# KiCad board bldc_controller.kicad_pcb (continued)
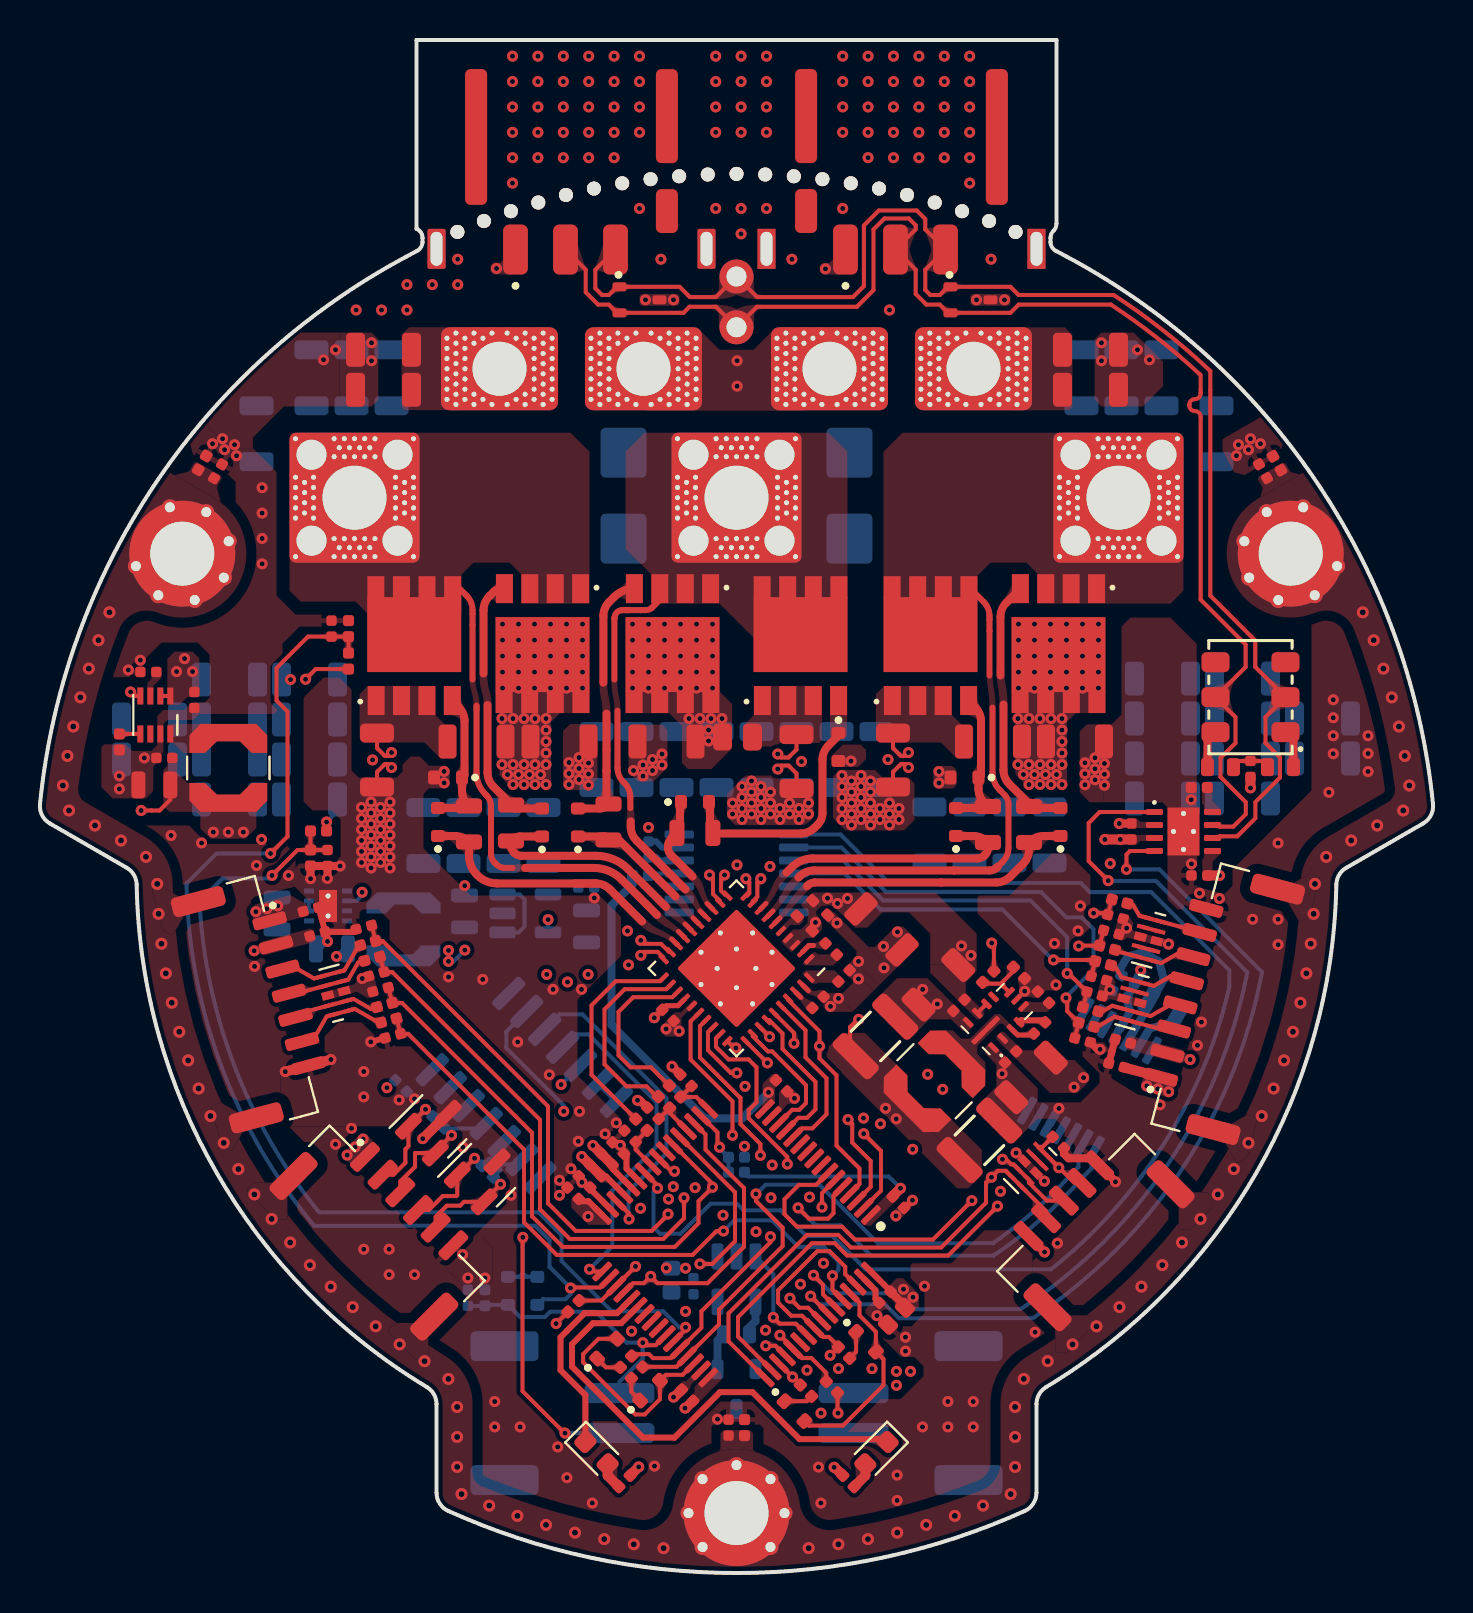
[diagram p0: board, top side]
## Routing (per net, layer and track width the routed paths; a pad name or vN(x,y) marks a point on that pad's centre or on a via; arc(x,y) is an arc through that point) (continued)
  Bottom w0.2: v1(11.6,34.9) 11.45,34.75 9.13,34.75 7.98,33.6 7.98,33.55 arc(9.72,25.39) 13.88,18.15 13.97,18.05 24.93,18.05 26.08,16.9 26.08,15.61 28.59,13.1 31.15,13.1 31.96,12.29 v1(32.28,12.29)
/Project Architecture/MCU - IO/SOA: length 8.7
  Top w0.2: R1.2 30.55,25.3 29.53,25.3 28.93,25.9 28.93,28.08 29.66,28.81 31.62,28.81 U8.23
/Project Architecture/MCU - IO/SOB: length 9.9
  Top w0.2: R2.2 30.85,23.83 30.33,24.35 29.33,24.35 28.23,25.45 28.23,28.2 29.24,29.21 31.31,29.21 U8.22
/Project Architecture/MCU - IO/SOC: length 10.8
  Top w0.2: U8.21 31.01,29.61 28.79,29.61 27.58,28.4 27.58,24.93 R3.2
/Project Architecture/Motor Control - Top Level/CPH: length 0.7
  Top w0.25: 38.14,31.09 38.45,31.4 38.68,31.4
/Project Architecture/Motor Control - Top Level/GHA: length 14.5
  Top w0.25: 36.73,32.5 37,32.78
  Top w0.4: 38.35,34.36 38.39,34.4 arc(38.56,34.51) 38.75,34.55 45.05,34.55 47.81,34.55 arc(48.2,34.63) 48.52,34.84 49.16,35.48 arc(49.38,35.81) 49.45,36.19 R9.2 ; R9.2 49.45,36.41 ; R9.2 49.49,36.58 arc(49.81,36.8) 50.19,36.88 D2.1
/Project Architecture/Motor Control - Top Level/GHB: length 6.1
  Top w0.25: 32.65,32.78 32.92,32.5 32.93,32.5
  Top w0.4: D5.1 28.25,36.85 R12.1 ; 28.88,36.75 31.78,33.85
/Project Architecture/Motor Control - Top Level/GHC: length 11.3
  Top w0.25: 32.25,32.48 32.57,32.15 32.57,32.15
  Top w0.4: D8.1 23.99,36.85 arc(23.79,36.81) 23.63,36.7 R15.1 23.55,36.41 arc(23.59,36.22) 23.7,36.05 23.72,36.03 arc(23.89,35.92) 24.08,35.88 27.8,35.88 arc(28.67,35.71) 29.41,35.22 31.3,33.33
/Project Architecture/Motor Control - Top Level/GLA: length 13
  Top w0.25: 36.02,33.21 36.02,33.22 36.3,33.5
  Top w0.4: D3.1 46.66,36.88 arc(47.05,36.8) 47.37,36.58 R10.1 47.4,36.28 arc(47.36,36.09) 47.26,35.93 47.22,35.9 arc(47.06,35.79) 46.87,35.75 38.64,35.75 arc(38.08,35.64) 37.6,35.32 37.33,35.05
/Project Architecture/Motor Control - Top Level/GLB: length 4.8
  Top w0.25: 33.63,33.22 33.35,33.5
  Top w0.4: 32.63,34.85 31.55,35.93 arc(31.44,36.09) 31.4,36.28 31.4,36.37 arc(31.44,36.56) 31.55,36.73 R13.1 32,37.18 32,38.58
/Project Architecture/Motor Control - Top Level/GLC: length 14
  Top w0.25: 31.87,31.44 31.86,31.44 31.58,31.73
  Top w0.4: 26.78,34.5 27.79,34.5 arc(28.17,34.42) 28.5,34.21 30.1,32.6 ; 26.78,34.5 22.87,34.5 arc(22.32,34.61) 21.86,34.92 arc(21.56,35.37) 21.45,35.9 R16.1 21.45,36.58 arc(21.12,36.8) 20.74,36.88 D9.1 ; 26.78,34.5 27.83,34.5
/Project Architecture/Motor Control - Top Level/Motor Control - Inverter/FET_GHA: length 11.9
  Top w0.39: 48.03,44.9 48.03,47.84 arc(48.1,48.22) 48.32,48.55
  Top w0.4: 48.18,43.45 48.18,40.18 arc(48.25,39.79) 48.47,39.47 49.45,38.49 R9.1 49.53,38.28 D2.2 ; 48.32,48.55 Q1.4
/Project Architecture/Motor Control - Top Level/Motor Control - Inverter/FET_GHB: length 11.9
  Top w0.4: D5.2 28,38.25 arc(28.19,38.29) 28.35,38.4 R12.2 28.33,38.58 28.33,40.13 28.33,40.13 28.33,43 ; 28.17,44.54 28.17,47.88 arc(28.25,48.26) 28.46,48.59 28.71,48.83 arc(29.17,49.14) Q3.4 ; 28.42,38.54 28.43,38.55 28.33,38.65
/Project Architecture/Motor Control - Top Level/Motor Control - Inverter/FET_GHC: length 12.1
  Top w0.4: D8.2 23.73,38.25 23.55,38.43 23.55,38.46 22.67,39.35 arc(22.45,39.67) 22.38,40.05 22.38,43.43 ; Q5.4 23.06,49.25 arc(22.87,49.21) 22.7,49.1 22.47,48.87 arc(22.25,48.55) 22.18,48.16 22.18,45.01 ; 23.53,38.53 23.53,38.33
/Project Architecture/Motor Control - Top Level/Motor Control - Inverter/FET_GLA: length 7.4
  Top w0.4: D3.2 47.33,38.28 R10.2 47.22,38.53 arc(47,38.86) 46.93,39.24 D1.1 47.05,39.93 47.05,42.62 arc(46.98,43) 46.76,43.32 Q2.4
/Project Architecture/Motor Control - Top Level/Motor Control - Inverter/FET_GLB: length 11.5
  Top w0.4: 33.5,38.58 33.5,37.17 R13.2 ; D4.1 39.93,41.9 39.42,41.39 arc(39.2,41.07) 39.13,40.69 39.13,38.02 arc(39.07,37.71) 38.89,37.45 38.74,37.29 arc(38.41,37.08) 38.03,37 34.1,37
/Project Architecture/Motor Control - Top Level/Motor Control - Inverter/FET_GLC: length 7.6
  Top w0.2: 21.19,38.31 21.45,38.58
  Top w0.4: Q6.4 20.94,43.33 arc(21.15,43.01) 21.23,42.63 21.23,39.93 21.1,39.8 21.1,39.14 arc(21.18,38.76) 21.4,38.43 R16.2 21.35,38.28 D9.2
/Project Architecture/Motor Control - Top Level/Motor Control - Inverter/PHA: length 2
  Top w0.3: NT4.2 47.48,47.88 arc(47.4,48.26) 47.19,48.59 Q2.5
/Project Architecture/Motor Control - Top Level/Motor Control - Inverter/PHB: length 1.7
  Top w0.3: Q3.3 30.99,48.69 30.6,48.3 arc(30.46,48.21) 30.3,48.17 NT7.2
/Project Architecture/Motor Control - Top Level/Motor Control - Inverter/PHC: length 1.9
  Top w0.3: NT10.2 21.63,48.19 arc(21.55,48.57) 21.34,48.89 20.9,49.33 Q6.5
/Project Architecture/Motor Control - Top Level/Motor Control - Inverter/SRC_LS_A: length 0.8
  Top w0.2: R11.2 42.65,41.28 NT5.1
/Project Architecture/Motor Control - Top Level/Motor Control - Inverter/SRC_LS_B: length 0.8
  Top w0.2: R14.2 37.83,41.2 NT8.2
/Project Architecture/Motor Control - Top Level/Motor Control - Inverter/SRC_LS_C: length 0.8
  Top w0.2: NT11.2 16.85,41.28 R17.2
/Project Architecture/Motor Control - Top Level/SA_N: length 15.7
  Top w0.2: v1(35.29,34.74) 35.47,34.56 35.47,34 35.36,33.89 U8.10 ; NT6.1 43.05,40.47 43.25,40.48 v1(43.43,40.3)
  In2.Cu w0.2: v1(43.43,40.3) 43.6,40.48 43.63,40.48 43.98,40.13 43.98,36.98 43.6,36.6 36.14,36.6 35.47,35.92 35.47,34.91 v1(35.29,34.74)
/Project Architecture/Motor Control - Top Level/SA_P: length 16.8
  Top w0.2: v1(43.43,41.05) 43.25,40.88 43.05,40.88 NT5.2 ; v1(36.04,34.74) 35.87,34.56 35.87,33.84 35.64,33.61 U8.9
  In2.Cu w0.2: v1(36.04,34.74) 35.87,34.91 35.87,35.76 36.31,36.2 43.76,36.2 44.38,36.82 44.38,40.29 43.79,40.88 43.6,40.88 v1(43.43,41.05) 43.49,41.05
/Project Architecture/Motor Control - Top Level/SB_N: length 11
  Top w0.2: 34.34,33.92 34.27,33.92 34.05,34.14 34.05,34.75 v1(34.23,34.93) ; v1(36.89,40.23) 37.07,40.4 37.43,40.4 NT9.1
  In2.Cu w0.2: v1(36.89,40.23) 36.72,40.4 35.26,40.4 34.61,39.75 34.61,39.74 33.92,39.05 33.25,39.05 32.98,38.78 32.98,36.46 34.05,35.39 34.05,35.1 v1(34.23,34.93)
/Project Architecture/Motor Control - Top Level/SB_P: length 12
  Top w0.2: NT8.1 37.43,40.8 37.07,40.8 v1(36.89,40.98) ; 33.99,33.56 33.99,33.64 33.65,33.97 33.65,34.75 v1(33.48,34.93)
  In2.Cu w0.2: v1(36.89,40.98) 36.72,40.8 35.1,40.8 34.22,39.92 34.22,39.91 33.75,39.45 33.08,39.45 32.58,38.94 32.58,36.3 33.65,35.22 33.65,35.1 v1(33.48,34.93)
/Project Architecture/Motor Control - Top Level/SC_N: length 21.2
  Top w0.2: 31.16,30.74 31.16,30.81 30.89,31.08 30.22,31.08 v1(30.04,30.9) ; v1(17.58,40.3) 17.4,40.48 17.25,40.48 NT12.1
  In2.Cu w0.2: v1(17.58,40.3) 17.75,40.48 18.01,40.48 18.25,40.23 18.25,35.41 22.58,31.08 29.87,31.08 v1(30.04,30.9)
/Project Architecture/Motor Control - Top Level/SC_P: length 21.5
  Top w0.2: v1(30.04,31.65) 30.22,31.48 31.05,31.48 31.44,31.09 31.51,31.09 ; NT11.1 17.25,40.88 17.4,40.88 v1(17.58,41.05)
  In2.Cu w0.2: v1(30.04,31.65) 29.87,31.48 22.75,31.48 18.65,35.57 18.65,40.4 18.17,40.88 17.75,40.88 v1(17.58,41.05)
/Project Architecture/Motor Control - Top Level/SHA: length 21.1
  Top w0.25: 36.39,32.86 36.65,33.13
  Top w0.29: NT4.1 47.48,44.9
  Top w0.3: 47.88,35.33 48.14,35.58 arc(48.35,35.91) 48.43,36.29 48.43,38.47 arc(48.38,38.72) 48.24,38.92 48,39.17 arc(47.72,39.57) 47.63,40.05 47.63,43.3
  Top w0.4: 37.93,34.8 37.97,34.84 arc(38.31,35.07) 38.71,35.15 45.7,35.15 45.7,35.15 47.5,35.15 arc(47.69,35.19) 47.85,35.3 47.88,35.33
/Project Architecture/Motor Control - Top Level/SHB: length 14.1
  Top w0.25: 33.27,32.86 33,33.13
  Top w0.3: 28.72,44.7 28.72,47.77 28.73,47.78 arc(28.84,48.06) 29.12,48.18 NT7.1 29.27,48.18 ; 28.88,43.14 28.88,40.28 arc(28.95,39.9) 29.17,39.58 29.23,39.52 arc(29.44,39.2) 29.52,38.82 29.52,38.27
  Top w0.4: 32.28,34.2 29.83,36.64 arc(29.61,36.97) 29.54,37.35 29.54,37.61
/Project Architecture/Motor Control - Top Level/SHC: length 19.7
  Top w0.25: 31.93,32.1 32.22,31.81 32.22,31.8
  Top w0.3: 23.63,35.28 23.25,35.28 arc(23.02,35.32) 22.83,35.45 22.73,35.55 arc(22.6,35.74) 22.55,35.97 22.55,38.35 arc(22.49,38.66) 22.32,38.92 22.26,38.98 arc(21.94,39.46) 21.83,40.02 21.83,43.4 ; NT10.1 21.63,44.7
  Top w0.4: 30.85,32.93 29.07,34.71 arc(28.44,35.13) 27.7,35.28 24.25,35.28
/Project Architecture/Power - Generation/BOOT_12V: length 1.4
  Top w0.3: C58.2 50.16,27.65 49.05,27.65 U3.4
/Project Architecture/Power - Generation/FB_5V: length 8.7
  Top w0.2: U2.4 4.73,43.88 v1(4.53,44.08) ; v1(5.06,38.15) NT1.1
  In2.Cu w0.2: v1(4.53,44.08) 3.39,42.95 3.39,38.99 4.23,38.15 v1(5.06,38.15)
/Project Architecture/Power - Generation/FB_12V: length 10.5
  Top w0.2: v1(47.59,31.52) 47.7,31.41 R5.1 ; v1(40.94,27.7) 40.89,27.7 NT2.1
  In2.Cu w0.2: v1(47.59,31.52) 47.55,31.52 46.83,32.24 45.44,32.24 40.94,27.74 v1(40.94,27.7)
/Project Architecture/Power - Generation/FB_DIV_12V: length 2.9
  Top w0.2: R6.1 48.67,30.11 48.17,29.6 ; 48.05,29.49 48.19,29.35 ; 48.05,29.49 48.17,29.6 ; 48.05,29.49 47.2,29.49 R5.2 ; 48.19,29.35 48.17,29.37 48.17,29.6 ; 48.19,29.35 U3.7
/Project Architecture/Power - Generation/MODE_5V: length 1.1
  Top w0.2: R4.1 U2.5
/Project Architecture/Power - Generation/SW_12V: length 1.2
  Top w0.25: U3.3 48.89,26.92 49.62,26.92 C58.1
/Project Architecture/Power - Generation/VOS_3V3: length 7.5
  In3.Cu w0.2: v1(16.11,34.06) 18.35,34.06 v1(21.24,31.16)
  Bottom w0.2: NT3.1 v1(21.24,31.16) ; U4.6 15.83,33.63 16.11,33.91 v1(16.11,34.06)
/Project Architecture/Sensing - Position/COMM_VDD: length 1.6
  Bottom w0.2: R26.2 30.53,35 U9.11
/Project Architecture/Sensing - Position/DIS_VDD3V: length 6.9
  Bottom w0.4: R27.2 54,30.19 54.38,30.84 55.16,31.05 55.96,30.59 56.2,29.7 54.58,26.89
/Project Architecture/User - LED Indicators/LED1_A: length 1.4
  Top w0.5: R20.2 28.38,4.88 D10.2
/Project Architecture/User - LED Indicators/LED2_A: length 1.4
  Top w0.5: R21.2 41.27,4.88 D11.2
CHASSIS:
  vias: v2(1.14,39.4) v2(1.37,40.88) v2(1.45,38.15) v2(1.66,42.35) v2(2.02,43.81) v2(2.44,45.25) v2(2.75,37.4) v2(2.93,46.67) v2(3.47,48.07) v2(4.05,36.65) v2(5.3,35.83) v2(5.86,34.48) v2(5.93,32.98) v2(6.07,31.49) v2(6.29,30) v2(6.59,28.53) v2(6.96,27.08) v2(7.41,25.65) v2(7.93,24.24) v2(8.52,22.86) v2(9.19,21.52) v2(9.92,20.21) v2(10.72,18.94) v2(11.58,17.72) v2(12.51,16.54) v2(13.5,15.41) v2(14.54,14.33) v2(15.64,13.31) v2(16.79,12.34) v2(17.98,11.44) v2(19.23,10.6) v2(20.42,9.71) v2(20.86,8.31) v2(20.86,6.81) v2(20.86,5.31) v2(21.08,3.95) v2(22.46,3.37) v2(23.87,2.86) v2(25.3,2.41) v2(26.75,2.02) v2(28.21,1.7) v2(29.69,1.44) v2(31.18,1.24) v2(38.44,1.24) v2(39.92,1.44) v2(41.4,1.7) v2(42.87,2.02) v2(44.31,2.41) v2(45.74,2.86) v2(47.15,3.37) v2(48.54,3.95) v2(48.76,8.31) v2(48.76,6.81) v2(48.76,5.31) v2(49.19,9.71) v2(50.39,10.6) v2(51.63,11.44) v2(52.83,12.34) v2(53.98,13.31) v2(55.08,14.33) v2(56.12,15.41) v2(57.11,16.54) v2(58.03,17.72) v2(58.9,18.94) v2(59.69,20.21) v2(60.43,21.52) v2(61.09,22.86) v2(61.68,24.24) v2(62.21,25.65) v2(62.65,27.08) v2(63.03,28.53) v2(63.32,30) v2(63.54,31.49) v2(63.75,34.48) v2(63.69,32.98) v2(64.32,35.83) v2(65.57,36.65) v2(66.14,48.07) v2(66.69,46.67) v2(66.87,37.4) v2(67.17,45.25) v2(67.6,43.81) v2(67.95,42.35) v2(68.16,38.15) v2(68.24,40.88) v2(68.47,39.4)
unconnected-(D14-K-Pad2): length 0.8
  Top w0.2: D14.2 D14.9
unconnected-(D14-K-Pad4): length 0.8
  Top w0.2: D14.4 D14.7
unconnected-(D16-K-Pad2): length 0.8
  Top w0.2: D16.2 D16.9
unconnected-(D24-K-Pad2): length 0.9
  Top w0.2: D24.2 D24.9

## Copper pours and planes (outline as drawn; the poured copper is in the pictures)
+3V3 on Top: 36.1,23.28 36.1,24.45 36.63,24.98 36.88,24.98 37.1,24.75 37.1,24.6 36.75,24.25 36.75,23.53 36.33,23.1 36.28,23.1
+3V3 on Top: 32.73,9.31 32.73,9.05 32.45,8.77 32.45,8.76 32.81,8.4 34.07,9.66 34.07,9.98 33.8,10.25 33.67,10.25
+3V3 on Top: 13.69,32.14 13.51,32.24 10.51,31.44 10.37,31.2 10.44,30.94 10.73,30.77 13.68,31.56 13.79,31.76
+3V3 on Top: 54.23,26.4 54.35,26.2 57.53,25.35 57.77,25.48 57.84,25.74 57.67,26.03 54.53,26.87 54.33,26.76
+3V3 on Top: 26.85,18.99 26.57,18.71 26.57,18.28 27.43,17.42 28.44,17.42 28.44,17.55 26.99,19 26.85,19
+3V3 on Top: 42.23,14.14 42.84,14.75 43.16,14.75 43.95,13.96 43.95,13.33 43.43,12.81 43.19,12.81 42.74,13.26 42.74,13.51 42.23,14.02
+3V3 on Top: 42.57,19.15 42.69,19.15 42.95,18.89 42.95,18.78 41.55,17.38 41.24,17.38 41.05,17.57 41.05,17.63
+3V3 on Bottom: 20,26.05 20.14,26.05 21.35,24.85 21.35,24.71 20.11,23.47 19.97,23.47 18.77,24.67 18.77,24.82
+3V3 on Bottom: 29.9,34.74 29.9,35.34 30.11,35.55 30.47,35.55 30.58,35.66 30.58,35.99 30.51,36.06 29.6,36.06 29.35,35.81 29.35,34.82 29.43,34.74
+3V3 on Bottom: 15.28,30.35 15.05,30.58 15.05,31.8 15.15,31.9 16.8,31.9 17.33,31.38 17.3,30.35
+3V3 on Bottom: 19.33,30.35 20.58,30.35 20.73,30.5 20.73,31.25 20.58,31.4 19.33,31.4
+3V3 on Bottom: 17.89,25.23 19.26,25.23 19.26,24.84 19.04,24.62 18.09,24.62 17.46,23.99 17.25,23.99 17.06,24.18 17.06,24.4
+3V3 on In3.Cu: 35.76,24.03 36.24,24.51 37.22,24.51 40.18,21.55 41.56,21.55 41.77,21.76 41.77,24.19 47.2,29.62 47.2,32.4 51.05,36.25 54.82,36.25 56.06,35.01 56.5,35.01 56.51,32.93 53.38,32.93 52.55,33.83 51.33,33.83 49.39,31.89 49.39,26.03 43.81,20.45 43.81,19.34 42.65,18.18 41.94,18.18 39.18,20.94 37.72,20.94 35.76,22.9
+3V3 on In3.Cu: 4.51,30.77 4.51,15.25 20.92,-1.16 49,-1.16 66.14,15.98 66.14,35.1 65.08,36.16 59.17,36.16 58.02,35.01 53.8,35.01 53.26,34.47 53.26,26.24 46.45,19.43 46.46,17.69 39.98,11.21 39.98,10.72 38.09,8.83 35.19,8.83 32.78,11.25 32.78,13.24 32.49,13.53 29.72,13.53 28.14,15.11 28.14,17.67 27.6,18.21 27.3,18.21 26.76,17.67 26.76,16.63 25.3,15.16 23.12,15.16 21.53,16.75 21.53,30.48 20.3,31.71 5.43,31.71
+5V on Top: 13.29,32.86 13.43,33.11 13.34,33.45 12.52,33.92 10.61,33.41 10.48,33.18 10.75,32.18
+5V on Top: 8.53,36.74 10.28,36.74 10.82,37.28 10.82,38.3 7.62,38.3 8.02,37.9 8.02,37.25
+5V on Top: 55.24,25.07 55.04,24.32 55.15,24.13 56.46,23.77 56.69,23.91 56.88,24.63
+5V on Top: 6.17,38.38 6.47,38.08 8.12,38.08 8.12,39.53 7.37,39.53 6.87,40.03 6.87,40.93 6.37,40.93 6.37,40.38 6.17,40.18
+5V on Top: 16.82,21.45 16.27,22 16.04,22 15.08,21.04 15.08,20.78 15.61,20.25
+5V on Bottom: 13.7,33 11.4,33 11.18,33.23 11.18,34.03 11.3,34.15 12.43,34.15 13.33,33.25 13.7,33.25
+5V on Bottom: 22.07,31.75 22.27,31.55 22.27,30.76 20.75,29.25 12,29.25 10.85,30.4 10.85,32.45 11.4,33 11.4,34.05 11.3,34.15 10.45,34.15 9.33,33.03 9.33,29.55 10.8,28.08 21.25,28.08 23.78,30.6 23.78,32.18 23.6,32.35 22.27,32.35 22.07,32.15
+5V on Bottom: 34.18,13.03 34.18,14.13 34.08,14.23 32.18,14.23 31.98,14.43 31.23,14.43 31.13,14.33 31.12,13.75 32.07,12.8 33.53,12.8 33.63,12.9 34.05,12.9
+5V on In2.Cu: 0.94,51.11 7.01,51.11 12.19,45.92 12.19,26.09 17.74,20.55 17.74,16.79 24.76,9.77 28.34,9.77 31.93,13.36 32.42,13.36 32.55,13.23 32.55,11.2 35.72,8.03 42.83,8.03 44.95,10.15 44.95,12.81 54.97,22.83 54.97,35.41 54.22,36.16 53.12,36.16 52.86,36.42 52.86,36.93 53.02,37.09 55.31,37.09 56.52,35.88 56.52,28.05 64.73,19.84 64.73,13.85 48.12,-2.76 21.5,-2.76 -1.6,20.34 -1.6,48.57
+12V on Top: 46.43,19.55 39.53,26.44 40.12,27.02 41.25,27.02 43.37,24.9 43.37,24.09 44.22,23.24 45.03,23.24 47.1,21.17 47.1,20.22
+12V on Top: 39.79,26.7 39.33,26.24 39.33,25.78 45.87,19.24 46.4,19.24 46.91,19.75 39.97,26.7
+12V on Bottom: 42.82,8.5 43.83,9.51 43.83,10.2 43.6,10.43 42.73,10.43 41.58,9.28 41.58,8.62 41.7,8.5
+12V on In2.Cu: 42.58,23.64 45.69,20.53 45.69,18.46 46.48,17.67 46.48,15.1 44.34,12.95 44.34,10.44 42.91,9.01 42.65,9.01 42.38,9.28 42.38,14.62 43.97,16.21 43.97,20.04 41.64,22.37 41.64,23.16 42.12,23.64
+A3V3 on Bottom: 24.74,32.03 24.74,30.16 25.61,29.29 27.15,29.29 28.01,30.15 28.01,31.75 26.95,31.75 26.67,32.03
+A3V3 on Bottom: 25.92,32.35 26.37,32.35 26.82,31.9 27.07,31.9 27.07,31.2 26.47,31.2 25.92,31.75
+A3V3 on In2.Cu: 30.35,30.25 32.21,28.39 32.21,24.51 33.29,23.43 33.29,22.57 29.56,18.84 28.77,18.84 26.75,20.86 26.16,20.86 25.19,19.89 25.19,17.1 24.59,16.5 23.89,16.5 23.23,17.16 23.23,19.55 26.57,22.89 26.57,27.49 24.59,29.47 24.59,29.94 24.9,30.25
+VBAT on Top: 46.84,27.71 46.99,27.71 47.22,27.94 47.22,28.08 46.3,29 46.3,29.6 46.84,30.14 46.84,31.13 46.3,31.67 45.74,31.67 44.51,30.44 44.51,30.04
+VBAT on Top: 29.3,44.1 33.98,44.1 34.6,43.48 34.6,41.25 33.58,40.23 32.4,40.23 32.1,40.53 32.1,42.38 31.45,43.03 29.28,43.03 29.28,44.08
+VBAT on Top: 21.03,58.18 18.25,58.18 18.08,58.35 18.08,61.95 18.46,62.33 21.03,62.33
+VBAT on Top: 6.37,43.43 6.37,44.43 6.77,44.83 7.87,44.83 7.97,44.73 7.97,43.83 7.37,43.83 6.97,43.43
+VBAT on Top: 41.42,34.05 44.78,34.05 46.84,31.99 46.84,31.13 46.15,30.44 44.51,30.44 44.51,31.99 43.45,33.05 42.13,33.05 41.37,32.29 40.74,32.29 40.74,33.37
+VBAT on Top: 38.58,33.18 38.25,33.5 38.25,33.68 38.63,34.05 41.42,34.05 41.9,33.58 41.9,33.35 40.74,32.29 39.65,33.38 39.08,33.38 38.88,33.18
+VBAT on Top: 22.98,44.1 27.48,44.1 27.48,43.03 26,43.03 25.55,42.58 25.55,39.33 23.55,39.33 22.98,39.9
+VBAT on Top: 51.73,25.67 52.47,24.93 52.47,24.61 51.88,24.02 50.51,24.02 50.09,24.44 51.31,25.67
+VBAT on Top: 47.82,26.85 47.82,26.71 50.09,24.44 50.4,24.44 51.27,25.31 50.07,26.51 49.71,26.16 49.11,26.16 48.19,27.08 48.05,27.08
+VBAT on Top: 48.78,44.05 48.83,44.1 53.28,44.1 53.28,43.03 51.8,43.03 51.35,42.58 51.35,39.33 49.4,39.33 48.78,39.95
+VBAT on Top: 6.37,44.43 6.37,45.74 6.73,46.1 7.63,46.1 7.97,45.76 7.97,44.73 7.67,44.43
+VBAT on Top: 48.68,58.17 51.46,58.17 51.63,58.34 51.63,61.94 51.25,62.32 48.68,62.32
+VBAT on Top: 37.08,31.63 37.65,32.2 38.05,32.2 38.38,32.53 38.38,33.07 38.08,33.38 38.08,33.5 38.43,33.85 38.88,33.4 38.88,33.18 38.8,33.1 38.8,32.94 39.1,32.64 39.1,32.2 38.68,31.78 38.3,31.78 37.58,31.05 37.08,31.55
+VBAT on Bottom: 49.58,56.05 49.58,56.9 50.58,57.9 59.43,57.9 59.68,58.15 59.68,58.7 58.93,59.45 51.28,59.45 48.88,61.85 48.88,56.05
+VBAT on Bottom: 14.53,49.65 11.13,49.65 6.43,44.95 6.43,38.45 6.98,37.9 8.48,37.9 9.48,38.9 9.48,45.6 10.23,46.35 13.23,46.35 13.88,45.7 14.53,45.7
+VBAT on Bottom: 20.08,56.05 20.08,56.9 19.08,57.9 10.23,57.9 9.98,58.15 9.98,58.7 10.73,59.45 18.38,59.45 20.78,61.85 20.78,56.05
+VBAT on Bottom: 45.98,31.65 46.2,31.65 52.63,25.22 52.63,24.7 51.97,24.04 50.44,24.04 44.88,29.6 44.88,30.55
+VBAT on Bottom: 55.13,49.65 58.53,49.65 63.23,44.95 63.23,39.1 62.03,37.9 61.18,37.9 60.18,38.9 60.18,45.6 59.43,46.35 56.43,46.35 55.78,45.7 55.13,45.7
+VBAT on Bottom: 25.91,58.2 27.28,56.83 27.28,54.45 27.78,53.95 29.73,53.95 30.33,53.35 30.33,50.05 30.73,49.65 38.93,49.65 39.33,50.05 39.33,53.35 39.93,53.95 41.88,53.95 42.38,54.45 42.38,56.83 43.75,58.2 43.75,60.95 49.6,60.95 49.6,50.58 50.53,49.65 55.13,49.65 55.83,48.95 55.83,38.5 55.13,37.8 54.43,37.8 54.23,38 54.23,41.65 53.48,42.4 52.08,42.4 51.38,41.7 51.38,38 51.18,37.8 45.52,37.8 44.95,38.37 44.95,40.78 44.05,41.67 26.11,41.67 25.29,40.85 25.29,37.8 18.58,37.8 18.33,38.05 18.33,41.15 17.88,41.6 16.63,41.6 15.38,40.35 15.38,37.95 15.23,37.8 14.53,37.8 13.83,38.5 13.83,48.95 14.53,49.65 19.13,49.65 20.08,50.6 20.06,61.85 25.91,61.85
+VBAT on In2.Cu, In3.Cu: 25.93,61.85 25.93,58.2 27.03,57.1 29.33,57.1 30.33,56.1 30.33,50.1 30.78,49.65 38.93,49.65 39.33,50.05 39.33,56.1 40.33,57.1 42.63,57.1 43.73,58.2 43.73,60.95 49.63,60.95 49.63,50.55 50.53,49.65 52.98,49.65 53.43,49.2 53.43,44.18 53,43.75 52.05,43.75 51.38,43.08 51.38,39.2 51.06,38.88 46.01,38.88 45.86,39.03 45.86,41.06 45.02,41.9 26.23,41.9 25.58,41.25 25.58,39.22 25.23,38.88 20.38,38.88 20.03,39.23 20.03,61.85
+VBAT on In3.Cu: 45.86,36.59 43.48,34.2 39.33,34.2 38.98,33.85 38.98,33.15 39.28,32.85 44.13,32.85 47.98,36.7 47.98,38.25 48.63,38.9 48.63,39.1 48.58,39.15 45.98,39.15 45.86,39.04
/Project Architecture/Power - Generation/VCC_12V on Top: 49.04,28.07 50.35,28.07 50.72,28.44 50.37,28.79 50.14,28.56 49.57,28.56 49.49,28.65 49.31,28.65 48.88,28.23
GND on Top: 41.25,13.18 41.25,13.03 42.15,12.13 42.2,12.13 42.7,12.63 42.7,12.65 42.55,12.8 42.55,13.23 41.95,13.83 41.9,13.83
GND on Top: 49.63,15.6 53.88,19.85 53.08,19.85 52.18,20.75 51.48,20.75 51.23,21 51.23,22.25 50.75,22.73 49.89,22.73 49.78,22.84 49.78,23.5 49.83,23.55 52.03,23.55 52.98,24.5 52.98,25 52.13,25.85 52.13,26.2 52.48,26.55 53.43,26.55 53.58,26.4 53.58,24.75 54.87,23.95 56.45,23.58 56.75,23.75 58.94,32.32 58.63,32.85 57.23,33.2 56.88,33.2 56.38,33.7 56.38,35.95 56.73,36.3 57.65,36.3 57.87,36.08 57.87,34.33 58.23,33.97 59.22,33.97 59.63,34.38 59.63,35.2 60.58,36.15 63.73,36.15 65.38,34.5 65.38,21.1 54.33,10.05 52.18,10.05 49.63,12.6
GND on Top: 36,7.43 36.13,7.55 36.13,8.13 35.68,8.58 34,8.58 33.55,8.13 33.55,7.55 33.68,7.43
GND on Top: 40.67,28.11 41.69,29.14 40.93,29.9 40.65,29.63 40.65,29.53 40.13,29 40.08,29 40.08,28.7
GND on Top: 51.99,42.11 52.34,42.46 53.59,42.46 53.72,42.34 53.72,38.96 53.32,38.56 52.49,38.56 51.99,39.06
GND on Top: 9.43,54.93 9.78,54.58 9.78,50.9 8.09,49.22 3.17,49.22 1.03,47.07 1.03,46.65 2.86,44.82 4.35,44.82 6.08,46.55 7.88,46.55 8.48,45.95 8.48,43.8 8.23,43.55 7.93,43.55 7.93,43.02 7.97,42.98 11.71,42.98 12.13,43.4 12.13,46.5 12.98,47.35 15.58,47.35 15.73,47.5 15.73,47.85 15.63,47.95 12.78,47.95 11.83,48.9 11.83,55.09 10.64,56.27 9.43,55.06
GND on Top: 50.31,19.34 50.13,19.34 48.54,20.93 48.54,21.11 48.72,21.28 48.9,21.28 50.49,19.69 50.49,19.52
GND on Top: 23.33,18.48 23.33,19.9 23.13,20.1 22.82,20.1 22.62,19.9 22.62,20.06 23.72,21.16 23.88,21 23.88,8.95 25.23,7.6 28.88,7.6 29.93,6.55 31.98,6.55 33.55,8.13 33.8,8.13 33.88,8.05 33.88,7.63 33.58,7.33 33.58,0.6 32.18,-0.8 23.13,-0.8 18.48,3.85 18.48,10.35 21.27,13.14 21.27,16.42
GND on Top: 49.89,24.25 49.89,22.73 48.73,21.56 46.89,23.4 47.82,24.34 47.82,25.43 47.26,26 47.26,26.32 47.51,26.56 47.58,26.56
GND on Top: 57.31,34.76 57.31,35.61 56.98,35.94 56.98,36.12 57.03,36.17 57.78,36.17 57.85,36.1 57.85,34.76
GND on Top: 36.45,22.93 36.95,23.43 36.95,24.05 37.33,24.43 37.43,24.43 38,23.85 38,23.65 37.83,23.48 37.4,23.48 36.65,22.73
GND on Top: 19.77,22.67 19.77,22.79 20.88,23.9 20.98,23.9 23.77,21.11 23.77,21.05 22.62,19.9 22.5,19.9 22.15,20.25 22.15,21 21.9,21.25 21.5,21.25 21.26,21.01 21.03,21.01 20.85,21.19 20.85,21.4 21.13,21.68 21.13,22.03 20.82,22.34 20.1,22.34
GND on Top: 38.94,28.72 39.18,28.48 39.18,28.3 39.4,28.08 40.63,28.08 40.77,28.21 40.77,28.44 40.18,29.03 39.35,29.03 39.28,29.1 38.94,28.76
GND on Top: 20.98,23.9 18.53,26.35 17.78,26.35 17.53,26.6 17.53,26.7 17.28,26.95 16.68,26.95 16.08,27.55 14.93,27.55 14.23,26.85 14.23,25.95 13.88,25.6 13.38,25.6 13.18,25.4 12.23,25.4 12.03,25.2 12.03,22.8 12.48,22.35 17.63,22.35 18.98,23.7 19.43,23.7 19.83,23.3 19.83,22.85 19.77,22.79 19.87,22.79
GND on Top: 43.15,32.35 42.78,32.35 41.75,31.33 41.43,31.33 41.25,31.15 41.25,30.7 42.25,29.7 43.88,31.33 43.88,31.63
GND on Top: 14.98,44.8 14.18,44.8 13.18,43.8 13.18,38.6 13.63,38.15 14.58,38.15 15.03,37.7 15.03,35.85 14.68,35.5 12.98,35.5 12.48,35 12.48,34.6 14.08,33 14.08,32.15 14.28,31.95 15.83,31.95 15.98,32.1 15.98,33.05 16.13,33.2 16.93,33.2 17.48,32.65 17.48,31.7 25.7,23.48 25.7,19.78 25.98,19.5 26.03,19.5 26.63,20.1 26.63,21 27.49,21.86 27.99,21.86 28.94,22.81 28.94,22.84 26.88,24.9 26.88,28.7 29.05,30.88 29.05,32.83 27.98,33.9 21.53,33.9 19.18,36.25 19.18,38.98 19.46,39.26 19.46,40.38 18.99,40.85 18.53,40.85 18.13,40.45 18.13,40.1 17.83,39.8 15.93,39.8 15.58,40.15 15.58,44.2
GND on Top: 29.55,42.45 31.1,42.45 31.38,42.18 31.38,40.3 30.68,39.6 29.88,39.6 29.43,40.05 29.43,42.33
GND on Top: 63.58,47.45 62.73,48.3 62.73,48.85 63.43,49.55 68.88,49.55 70.58,47.85 70.58,37.45 67.68,34.55 61.48,34.55 60.53,35.5 60.53,36.1 63.58,39.15
GND on Top: 14.05,29.01 15.74,29.47 16.06,30.02 16.54,30.15 16.63,30.09 16.93,28.98 16.88,28.89 16.39,28.76 15.84,29.08 14.15,28.63
GND on Top: 27.83,19.25 27.83,19.33 26.63,20.53 26.45,20.53 25.7,19.78 25.7,18.78 25.85,18.63 26.08,18.63 26.7,19.25 27.18,19.25 27.45,18.98 27.55,18.98
GND on Top: 40.23,30.28 40.75,30.8 40.95,30.8 42,29.75 42,29.45 41.65,29.1 41.18,29.1 40.23,30.05
GND on Top: 5.17,44.82 5.29,44.94 5.29,45.83 5.16,45.96 4.68,45.96 4.07,45.35 4.07,44.97 4.22,44.82
GND on Top: 14.52,58.36 12.2,58.36 10.64,56.81 10.64,56.27 9.49,56.27 7.99,57.77 7.99,59.12 10.93,62.06 14.97,62.06 14.97,58.81
GND on Top: 15.8,35.33 16.23,34.9 17.53,34.9 17.78,35.15 17.78,39.55 17.53,39.8 16.13,39.8 15.8,39.48
GND on Top: 6.17,41.98 6.17,42.48 6.37,42.68 7.67,42.68 7.97,42.98 7.97,43.43 7.47,43.43 7.22,43.18 6.17,43.18 5.87,42.88 5.87,41.98
GND on Top: 16.92,58.7 16.92,61.72 16.58,62.06 14.97,62.06 13.5,60.59 13.5,59.38 14.52,58.36 16.58,58.36
GND on Top: 34.35,37.83 34.35,38.98 35.28,39.9 36.98,39.9 37.15,39.73 38.55,39.73 38.68,39.6 38.68,37.8 38.3,37.43 34.75,37.43
GND on Top: 57.3,39.46 57.3,38.61 56.97,38.28 56.97,38.1 57.02,38.05 57.77,38.05 57.84,38.12 57.84,39.46
GND on Top: 15.28,20.72 15.28,21.81 16.63,23.15 12.03,23.15 12.03,22.75 14.08,20.7 14.08,20.1 11.48,17.5 11.48,15.1 14.63,11.95 17.58,11.95 19.98,14.35 20.78,14.35 21.38,13.75 21.68,14.05 21.68,14.32
GND on Top: 44.38,29.76 42.86,29.76 41.69,28.6 43.53,26.76 44.46,27.7 45.56,27.7 46.13,27.13 46.44,27.13 46.69,27.38 46.69,27.45
GND on Top: 26.15,42.13 26.5,42.48 27.75,42.48 27.88,42.35 27.88,39.73 27.33,39.18 26.35,39.18 26.15,39.38
